# Altium PCB 1166V30.PcbDoc (part 5 of 6) (continued)
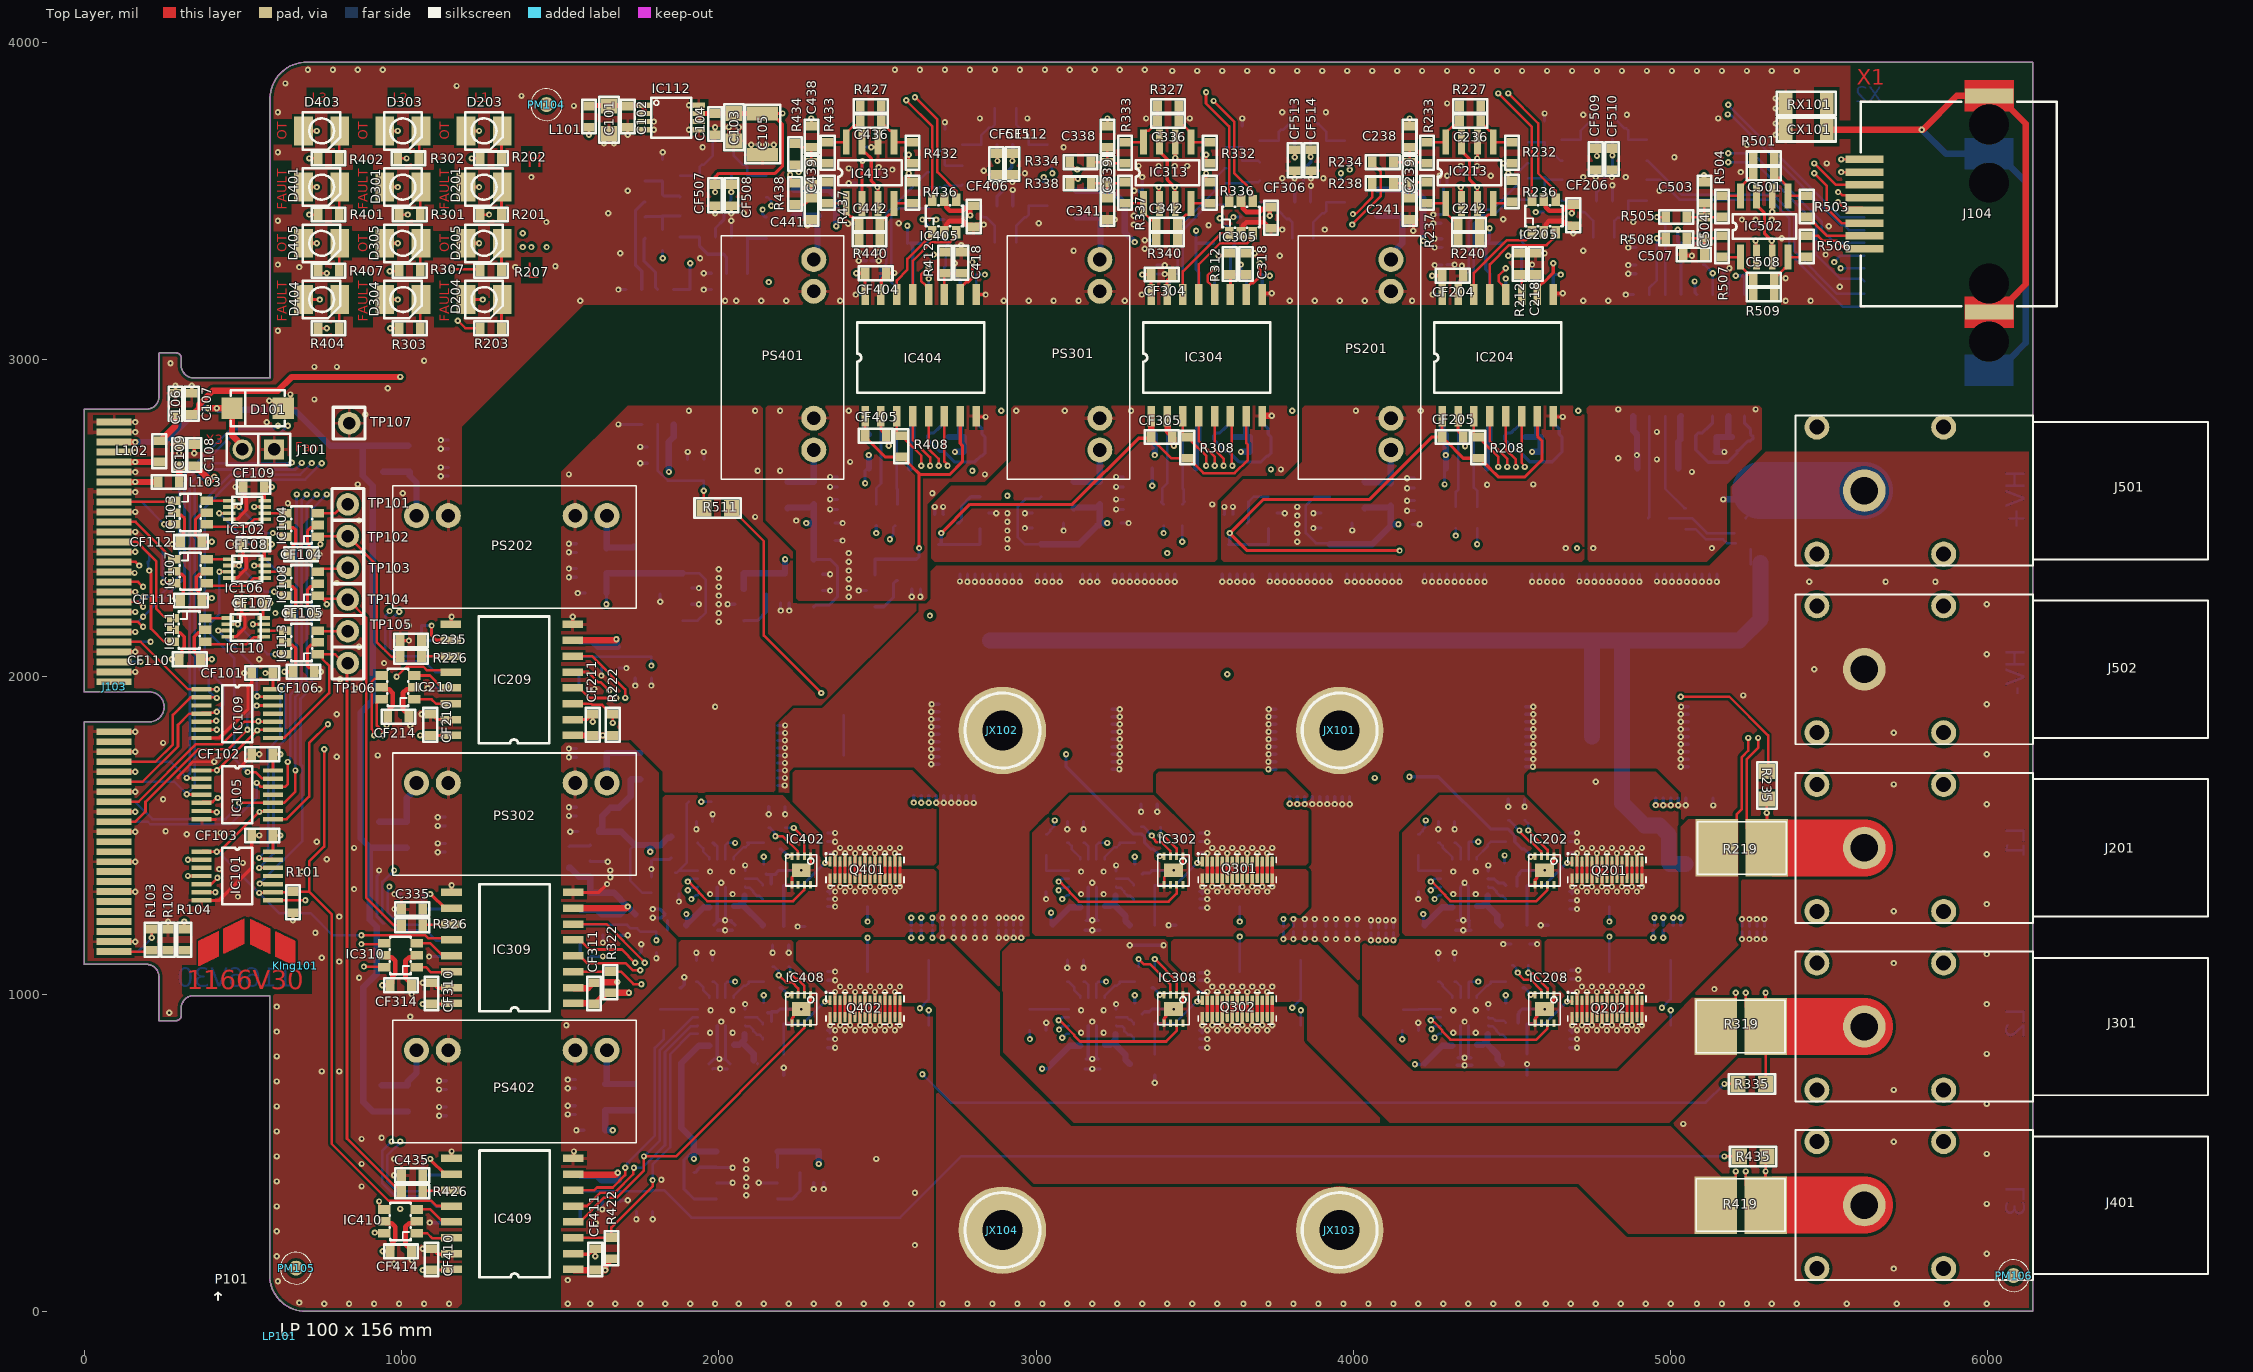
[diagram p0: Top Layer view]
## Nets (pads, with @x,y where several pads share a name; then routed paths per layer and width w, separated by ;. In a path a pad name is that pad's centre, name@x,y a point inside that pad or via, vN(x,y) a via of type N, cw(c..) or ccw(c..) an arc to the next point about the centre after c; other vN are vias at no path point) (continued)
  Bottom Layer w8: v1(1901.57,1326.77) 1904.74,1326.77 1913.66,1335.69 1931.17,1335.69 IC406.2@1933.07,1337.6
NetIC404_6: IC404.6 R411.2 | length 1571.7
  Top Layer w8: IC404.6@2711.02,2820.87 2711.02,2678.47 2720.98,2668.52 v1(2720.98,2665.35)
  Layer 3 w8: v1(1944.88,1606.3) 1944.88,1654.54 2609.21,2318.87 2609.21,2550.39 2715.13,2656.31 ; 2715.13,2656.35 2720.98,2662.19 v1(2720.98,2665.35)
  Bottom Layer w8: v1(1944.88,1606.3) R411.2@1972.44,1606.3 R411.2@1976.38,1606.3
NetIC404_13: IC404.13 IC405.3 | length 288.1
  Top Layer w8: IC404.13@2611.02,3204.72 2611.02,3310.94 2670.16,3370.07 2729,3370.07 2738.53,3379.6 2738.53,3392.07 IC405.3@2748.03,3401.57
NetIC404_14: IC404.14 IC405.1 | length 243.2
  Top Layer w8: IC404.14@2561.02,3204.72 2561.02,3249.53 2594.49,3282.99 2594.49,3317.03 2673.03,3395.57 IC405.1@2673.03,3401.57
NetIC406_5: IC406.5 R414.1 | length 66.3
  Bottom Layer w8: R414.1@1933.07,1476.38 1950.6,1458.85 1950.6,1449.99 1969.49,1431.1 IC406.5@1969.49,1425.2
NetIC406_6: IC406.6 R415.1 | length 69.3
  Bottom Layer w8: R415.1@1987.2,1469.49 R415.1@1980.31,1476.38 1984.25,1476.38 1995.08,1465.55 IC406.6@1995.08,1425.2
NetIC406_10: IC406.10 R410.1 | length 66
  Bottom Layer w8: IC406.10@2082.68,1363.19 2121.06,1363.19 2137.8,1346.46 R410.1@2137.8,1342.52
NetIC406_11: IC406.11 R441.1 | length 76.8
  Bottom Layer w8: IC406.11@2082.68,1337.6 2084.58,1335.69 2096.51,1335.69 2108.49,1323.71 2108.49,1320.53 2120.03,1308.99 2128.02,1308.99 2137.8,1299.21 R441.1@2137.8,1295.28
NetIC408_2: IC408.2 R421.1 | length 113.6
  Top Layer w8: v1(2224.41,1062.99) 2227.35,1062.99 2241.69,1048.66 2246.62,1048.66 2269.69,1025.59 IC408.2@2269.69,998.03
  Bottom Layer w8: R421.1@2220.47,1086.61 2224.41,1082.68 v1(2224.41,1062.99)
NetIC408_3: IC408.3 R420.1 | length 135.9
  Top Layer w8: v1(2188.98,1059.06) 2210.76,1037.27 2230.45,1037.27 2250,1017.72 IC408.3@2250,998.03
  Bottom Layer w8: R420.1@2169.29,1086.61 2173.23,1086.61 2188.98,1070.87 v1(2188.98,1059.06)
NetIC408_7: IC408.7 IC409.4 IC411.3 | length 1539.4
  Top Layer w8: IC409.4@1541.34,281.89 1562.01,281.89 1638.39,358.27 1678.73,358.27 1763.78,443.32 v1(1763.78,488.19) 1864.41,488.19 2268.76,892.54 2268.76,906.56 IC408.7@2269.69,907.48
  Bottom Layer w8: v1(1763.78,488.19) 1814.27,538.68 1814.27,823.34 1917.11,926.18 IC411.3@1933.07,926.18
NetIC409_3: IC409.3 IC411.1 R422.2 | length 888.3
  Top Layer w8: IC409.3@1541.34,231.89 1661.02,231.89 R422.2@1661.42,232.28 1661.42,264.1 1791.21,393.9 v1(1791.21,413.51)
  Bottom Layer w8: v1(1791.21,413.51) 1791.21,462.1 1846.27,517.16 1846.27,810.09 1911.18,875 IC411.1@1933.07,875
NetIC409_5: IC409.5 IC411.2 | length 809.5
  Top Layer w8: IC409.5@1541.34,331.89 1584.85,331.89 1627.23,374.27 1672.1,374.27 1730.17,432.34 1730.17,450.52 v1(1732.41,452.76)
  Bottom Layer w8: v1(1732.41,452.76) 1759.24,452.76 1830.27,523.79 1830.27,816.72 1912.24,898.69 1931.17,898.69 IC411.2@1933.07,900.59
NetIC409_6: IC409.6 R425.2 | length 690
  Top Layer w8: IC409.6@1541.34,381.89 1607.49,381.89 1615.87,390.27 1665.47,390.27 1704.72,429.52 v1(1704.72,452.76)
  Bottom Layer w8: v1(1704.72,452.76) 1704.72,455.92 1710.57,461.76 1710.57,465.87 1798.27,553.57 1798.27,829.97 1826.77,858.47 R425.2@1826.77,885.83
NetIC409_13: IC409.13 IC410.3 | length 129.2
  Top Layer w8: IC410.3@1047.24,320.96 1090.85,320.96 1131.89,279.92 IC409.13@1159.45,279.92
NetIC409_14: IC409.14 IC410.1 | length 118.9
  Top Layer w8: IC410.1@1047.24,245.96 1080.81,245.96 1096.85,229.92 IC409.14@1159.45,229.92
NetIC411_5: IC411.5 R429.1 | length 70.2
  Bottom Layer w8: R429.1@1929.13,1039.37 1933.07,1039.37 1950.6,1021.84 1950.6,1012.98 1969.49,994.09 IC411.5@1969.49,988.19
NetIC411_6: IC411.6 R430.1 | length 59.6
  Bottom Layer w8: R430.1@1980.32,1039.37 1984.25,1039.37 1995.08,1028.54 IC411.6@1995.08,988.19
NetIC411_10: IC411.10 R424.1 | length 66
  Bottom Layer w8: IC411.10@2082.68,926.18 2121.06,926.18 2137.8,909.45 R424.1@2137.8,905.51
NetIC411_11: IC411.11 R442.1 | length 76.8
  Bottom Layer w8: IC411.11@2082.68,900.59 2084.58,898.69 2096.51,898.69 2108.49,886.7 2108.49,883.52 2120.03,871.98 2128.02,871.98 2137.8,862.2 R442.1@2137.8,858.27
NetIC412_6: IC412.6 R438.1 | length 4326.3
  Top Layer w8: v1(2224.41,3582.55) 2224.41,3570.87 2226.44,3568.83 2226.44,3564.9 2236.22,3555.12 R438.1@2240.16,3555.12
  Layer 2 w8: v1(968.38,535.43) 968.38,538.6 960.88,546.09 960.88,945.13 992.13,976.38 992.13,1197.85 875.54,1314.43 875.54,1870.61 905.51,1900.58 905.51,2683.25 1804.82,3582.55 v1(2224.41,3582.55)
  Bottom Layer w8: v1(968.38,535.43) 968.38,535.31 938.54,505.46 938.54,403.98 979.39,363.13 1076.24,363.13 1110.24,329.13 IC412.6@1137.8,329.13
NetIC412_7: IC412.7 R434.1 | length 4309
  Top Layer w8: R434.1@2240.16,3614.17 2242.19,3614.17 2251.97,3604.39 v1(2251.97,3590.55)
  Layer 2 w8: v1(996.06,535.43) 996.06,538.6 990.22,544.44 990.22,544.61 976.88,557.95 976.88,938.51 1008.13,969.75 1008.13,1204.47 891.54,1321.06 891.54,1863.98 921.51,1893.95 921.51,2676.62 1805.6,3560.71 2237.87,3560.71 2249.73,3572.57 2249.73,3588.32 v1(2251.97,3590.55)
  Bottom Layer w8: v1(996.06,535.43) 996.06,532.1 954.54,490.57 954.54,410.61 986.01,379.13 IC412.7@1137.8,379.13
NetIC503_6: IC503.6 R520.1 | length 298.9
  Bottom Layer w10: IC503.6@1757.09,3220.47 1757.09,3278.35 1737,3298.43 1737,3469.28 1763.78,3496.06 R520.1@1767.72,3496.06
NetIC503_7: IC503.7 R514.1 | length 181
  Bottom Layer w10: R514.1@1767.72,3381.89 1763.78,3377.95 1763.78,3311.02 1800.28,3274.53 1800.28,3227.28 IC503.7@1807.09,3220.47
NetJ103_99: J103.99 R102.2 R103.1 R104.2 | length 278
  Top Layer w8: J103.99@93.96,1133.68 R102.2@259.67,1133.68 ; R102.2@263.78,1137.8 R102.2@259.67,1133.68 ; R104.2@314.96,1133.68 R102.2@259.67,1133.68
  Top Layer w10: R102.2@263.78,1137.8 R104.2@314.96,1137.8
NetJ103_100: J103.100 R103.2 | length 164.2
  Top Layer w8: v1(212.6,1177.17) R103.2@212.6,1204.72
  Bottom Layer w8: J103.100@93.96,1133.68 169.12,1133.68 v1(212.6,1177.17)
NetQ201_1: Q201.1 R209.2 R210.2 R241.2 | length 297.1
  Top Layer w10: v1(4673.23,1413.39) Q201.1@4688.98,1413.39
  Bottom Layer w10: R209.2@4547.24,1216.54 R241.2@4547.24,1295.28 R210.2@4547.24,1342.52 4602.36,1342.52 v1(4673.23,1413.39)
NetQ202_1: Q202.1 R223.2 R224.2 R242.2 | length 265.6
  Top Layer w10: v1(4673.23,976.38) Q202.1@4688.98,976.38
  Bottom Layer w10: R223.2@4547.24,811.02 R242.2@4547.24,858.27 R224.2@4547.24,905.51 4602.36,905.51 v1(4673.23,976.38)
NetQ301_1: Q301.1 R309.2 R310.2 R341.2 | length 304.9
  Top Layer w10: v1(3507.87,1413.39) Q301.1@3523.62,1413.39
  Bottom Layer w8: R309.2@3374.02,1216.54 R341.2@3374.02,1295.28 R310.2@3374.02,1342.52 3437.01,1342.52 v1(3507.87,1413.39)
NetQ302_1: Q302.1 R323.2 R324.2 R342.2 | length 273.4
  Top Layer w10: v1(3507.87,976.38) Q302.1@3523.62,976.38
  Bottom Layer w8: R323.2@3374.02,811.02 R324.2@3374.02,905.51 3435.39,905.51 3506.26,976.38 v1(3507.87,976.38)
NetQ401_1: Q401.1 R409.2 R410.2 R441.2 | length 307.7
  Top Layer w10: v1(2334.65,1413.39) Q401.1@2350.39,1413.39
  Bottom Layer w10: R409.2@2204.72,1212.6 R441.2@2204.72,1295.28 R410.2@2204.72,1342.52 2263.78,1342.52 v1(2334.65,1413.39) ; v1@2332.68,1415.35 v1@2334.65,1417.32
NetQ402_1: Q402.1 R423.2 R424.2 R442.2 | length 271.1
  Top Layer w10: v1(2334.65,976.38) Q402.1@2350.39,976.38
  Bottom Layer w8: R423.2@2204.72,811.02 R442.2@2204.72,858.27 R424.2@2204.72,905.51 2263.78,905.51 v1(2334.65,976.38) v1@2333.03,976.38
P3V3: J103.13 J103.14 L103.1 | length 204.6
  Top Layer w20: J103.13@93.96,2614 94.05,2614.08 L103.1@232.28,2614.08
  Bottom Layer w20: J103.14@93.96,2614 v1@160.18,2614
  other v1: 160.27,2613.91
P5V: J103.9 J103.10 L102.1 | length 208.5
  Top Layer w20: J103.9@93.96,2676.99 94.05,2677.08 L102.1@236.22,2677.08
  Bottom Layer w20: J103.10@93.96,2676.99 v1@160.18,2676.99
  other v1: 160.27,2676.9
P24V: C206.2 C226.2 C306.2 C326.2 C406.2 C426.2 D101.2 J101.2 J103.5 J103.6 L201.1 L203.1 L301.1 L303.1 L401.1 L403.1 | length 8727.2
  Top Layer w10: v1@160.18,2739.98 v1(160.27,2739.89)
  Top Layer w20: J103.5@93.96,2739.98 v1@160.18,2739.98 ; v1(389.76,2846.46) v1(417.32,2846.46) D101.2@465.47,2846.46 465.47,2761.12 498.43,2728.17 J101.2@498.43,2716.54
  Layer 4 w20: v1(389.76,2846.46) v1(417.32,2846.46) 499.68,2846.46 504.26,2841.87 777.28,2841.87 793.67,2858.27 1110.24,2858.27 1641.73,3389.76 2370.08,3389.76 ; v1(2370.08,3420.17) 2370.08,3389.76 ; v1(3311.02,3370.08) 3287.4,3346.46 ; v1(4220.47,3374.02) 4177.17,3374.02 4165.35,3385.83 4043.31,3385.83 4031.5,3374.02 3425.2,3374.02 3370.08,3318.9 3314.96,3318.9 3287.4,3346.46 ; 2370.08,3389.76 3244.09,3389.76 3287.4,3346.46
  Bottom Layer w10: v1@160.18,2739.98 v1(160.27,2739.89)
  Bottom Layer w20: J103.6@93.96,2739.98 v1@160.18,2739.98 ; v1(160.27,2739.89) 255.64,2739.89 362.2,2846.46 v1(389.76,2846.46) v1(417.32,2846.46) 421.91,2841.87 662.06,2841.87 775.59,2728.35 877.95,2728.35 ; C326.2@1015.75,1460.63 L303.1@929.13,1460.63 L303.1@901.57,1460.63 ; C426.2@1019.69,629.92 L403.1@937.01,629.92 909.45,629.92 879.64,659.73 879.64,1021.37 921.26,1062.99 921.26,1212.6 899.76,1234.09 899.76,1458.82 L303.1@901.57,1460.63 ; C226.2@1021.26,2728.35 L203.1@942.52,2728.35 877.95,2728.35 ; L401.1@2236.22,3535.43 C406.2@2311.02,3535.43 ; C406.2@2311.02,3531.5 2314.96,3535.43 2346.46,3535.43 2370.08,3511.81 v1(2370.08,3420.17) ; L301.1@3125.98,3531.5 C306.2@3204.72,3531.5 3240.16,3531.5 3279.53,3492.13 3279.53,3401.57 v1(3311.02,3370.08) ; L201.1@4074.8,3535.43 C206.2@4153.54,3535.43 4157.48,3531.5 4196.85,3531.5 4220.47,3507.87 v1(4220.47,3374.02) ; 877.95,2728.35 877.95,2633.6 909.45,2602.1 909.45,1925.2 871.76,1887.51 871.76,1490.44 L303.1@901.57,1460.63
PWM_EN: IC101.1 IC101.9 IC105.1 IC105.9 IC109.1 IC109.9 IC204.12 IC209.12 IC304.12 IC309.12 IC404.12 IC409.12 J103.45 R101.1 | length 9618
  Top Layer w8: J103.45@93.96,2110.06 177.95,2110.06 327.38,1960.63 IC109.1@370.08,1960.63 370.14,1960.69 v1@413.32,1960.69 ; IC101.1@370.08,1448.82 372.97,1451.71 388.72,1451.71 391.61,1448.82 v1(417.32,1448.82) 419.56,1451.05 427.43,1451.05 550.2,1573.82 v1(552.17,1573.82) ; IC105.1@370.08,1704.72 v1@417.32,1704.72 ; v1@418.25,1704.72 544.19,1830.66 v1(545.12,1830.66) ; v1@545.28,1832.68 IC109.9@594.49,1832.68 ; v1(551.18,1318.77) 552.23,1319.82 593.44,1319.82 IC101.9@594.49,1320.87 R101.1@655.51,1320.87 ; v1@551.18,1574.8 552.17,1575.79 593.5,1575.79 IC105.9@594.49,1576.77 ; R101.1@657.48,1322.83 708.66,1322.83 ; v1(755.91,1771.65) 755.91,1464.57 708.66,1417.32 708.66,1322.83 ; v1(873.54,1185.17) 873.66,1185.05 1074.9,1185.05 1084.4,1175.55 1152.41,1175.55 IC309.12@1157.48,1170.47 ; v1(984.25,2000) 1015.75,2031.5 1068.71,2031.5 1080.27,2019.94 1150.54,2019.94 IC209.12@1155.51,2014.96 ; IC409.12@1157.48,331.89 1110.04,331.89 1093.7,348.24 959.46,348.24 779.53,528.17 779.53,1251.97 708.66,1322.83 ; IC404.12@2661.02,3204.72 2661.02,3225.39 2653.21,3233.2 2652.62,3233.2 2637.8,3248.03 2637.8,3267.72 v1(2661.42,3291.34) ; IC304.12@3562.6,3204.72 3562.6,3225.39 3554.79,3233.2 3553.55,3233.2 3540.76,3246 3540.76,3265.17 v1(3562.99,3287.4) ; IC204.12@4479.92,3204.72 4479.92,3225.39 4472.11,3233.2 4470.87,3233.2 4458.08,3246 4458.08,3265.17 v1(4480.32,3287.4)
  Layer 2 w8: v1(417.32,1960.76) 420.48,1960.76 v1@424.55,1956.69 ; v1(417.99,1705.4) 420.59,1705.4 v1(552.17,1573.82) ; v1@424.59,1956.69 450.79,1930.5 450.79,1927.16 545.12,1832.83 v1(545.12,1830.66) ; v1(2157.48,3244.09) 2157.48,3271.65 2271.65,3385.83 2566.93,3385.83 v1(2661.42,3291.34) 2678.94,3308.87 2686.82,3308.87 2735.63,3357.68 2735.63,3363.23 2762.17,3389.76 3244.09,3389.76 3311.02,3322.83 3444.88,3322.83 3480.31,3287.4 v1(3562.99,3287.4) 3578.74,3303.15 3594.49,3303.15 3677.17,3385.83 4165.35,3385.83 4228.35,3322.83 4444.88,3322.83 v1(4480.32,3287.4)
  Layer 3 w8: v1(755.91,1771.65) v1(984.25,2000)
  Layer 5 w8: v1(984.25,2000) 1044.83,2060.58 1044.83,2226.38 980.32,2290.9 980.32,2633.02 1591.39,3244.09 v1(2157.48,3244.09)
  Bottom Layer w8: v1(417.32,1448.82) 421.26,1448.82 551.18,1318.9 v1(551.18,1318.77) 615.83,1254.13 714.14,1254.13 783.1,1185.17 v1(873.54,1185.17)
PWM_H1: IC101.6 IC104.3 R212.2 TP101.1 | length 5663.7
  Top Layer w8: IC101.6@370.08,1320.87 v1(413.39,1320.87) ; IC104.3@735.86,2515.75 791.19,2515.75 818.75,2543.31 TP101.1@830.71,2543.31 ; v1(4488.19,3326.77) 4515.75,3326.77 R212.2@4523.62,3334.65
  Layer 3 w8: v1(413.39,1320.87) 415.62,1323.1 432.73,1323.1 466.35,1356.72 466.35,1681.46 472.44,1687.55 472.44,2012.29 651.89,2191.74 651.89,2380.24 814.96,2543.31 TP101.1@830.71,2543.31
  Layer 5 w8: TP101.1@830.71,2543.31 912.88,2625.48 912.88,2658.92 1652.29,3398.33 3357.57,3398.33 3374.02,3381.89 4173.23,3381.89 4228.35,3326.77 v1(4488.19,3326.77)
PWM_H1#: IC103.1 J103.17 | length 191.2
  Top Layer w8: J103.17@93.96,2551 279.35,2551 IC103.1@283.46,2555.12
PWM_H2: IC105.6 IC108.3 R312.2 TP103.1 | length 4515.4
  Top Layer w8: IC105.6@370.08,1576.77 371.95,1574.9 415.45,1574.9 v1(417.32,1573.02) ; IC108.3@735.86,2330.71 745.36,2340.21 827.61,2340.21 TP103.1@830.71,2343.31 ; v1(3574.8,3326.77) 3602.36,3326.77 R312.2@3610.24,3334.65
  Layer 2 w8: v1(602.36,2200.79) 602.36,2203.95 608.2,2209.79 608.2,2214.5 737.01,2343.31 TP103.1@830.71,2343.31
  Layer 3 w8: v1(417.32,1573.02) 419.56,1575.26 437.46,1575.26 450.35,1588.14 450.35,1800.48 456.44,1806.58 456.44,2018.92 602.36,2164.84 v1(602.36,2200.79)
  Layer 5 w8: TP103.1@830.71,2343.31 928.88,2441.48 928.88,2652.3 1658.92,3382.33 3267.28,3382.33 3322.83,3326.77 v1(3574.8,3326.77)
PWM_H2#: IC107.1 J103.21 | length 239.6
  Top Layer w8: J103.21@93.96,2488.01 161.59,2488.01 260.78,2388.83 260.78,2386.76 277.46,2370.08 IC107.1@283.46,2370.08
PWM_H3: IC109.6 IC113.3 R412.2 TP105.1 | length 3319
  Top Layer w8: IC109.6@370.08,1832.68 v1@413.39,1832.68 ; IC113.3@735.86,2145.67 738.22,2143.31 TP105.1@830.71,2143.31 ; v1(2677.17,3330.71) 2704.72,3330.71 R412.2@2712.6,3338.58
  Layer 5 w8: v1@413.39,1832.68 466.53,1832.68 521.34,1887.48 574.88,1887.48 TP105.1@830.71,2143.31 944.88,2257.48 944.88,2645.67 1665.54,3366.33 2641.54,3366.33 v1(2677.17,3330.71)
  other v1: 417.32,1832.68
PWM_H3#: IC111.1 J103.25 | length 372.6
  Top Layer w8: J103.25@93.96,2425.02 165.53,2425.02 226.19,2364.36 226.19,2214.76 251.97,2188.98 275.59,2188.98 IC111.1@279.53,2185.04
PWM_L1: IC101.8 IC104.1 R226.2 TP102.1 | length 1833.6
  Top Layer w8: IC101.8@594.49,1295.27 v1(696.85,1295.28) ; v1(744.09,2417.32) 744.09,2432.51 IC104.1@735.86,2440.75 738.42,2443.31 TP102.1@830.71,2443.31 921.26,2352.76 921.26,2110.24 968.5,2062.99 R226.2@996.06,2062.99
  Layer 3 w8: v1(696.85,1295.28) 708.66,1307.09 708.66,2385.22 731.11,2407.67 731.28,2407.67 740.93,2417.32 v1(744.09,2417.32)
PWM_L1#: IC103.3 J103.18 | length 218.9
  Top Layer w8: v1(251.97,2480.31) 252.17,2480.12 IC103.3@283.46,2480.12
  Bottom Layer w8: J103.18@93.96,2551 181.28,2551 v1(251.97,2480.31)
PWM_L2: IC105.8 IC108.1 R326.2 TP104.1 | length 2001
  Top Layer w8: IC105.8@594.49,1551.18 637.69,1551.18 708.66,1622.15 708.66,1791.34 v1(767.72,1850.39) ; IC108.1@735.86,2255.71 741.86,2255.71 IC108.1@751.36,2246.21 ; v1@761.54,2236.02 IC108.1@751.36,2246.21 ; R326.2@1000,1216.54 976.38,1216.54 887.98,1304.93 887.98,2186.03 TP104.1@830.71,2243.31 827.81,2246.21 IC108.1@751.36,2246.21
  Layer 2 w8: v1(763.78,2228.35) 766.02,2226.11 766.02,2214.3 767.72,2212.6 v1(767.72,1850.39)
PWM_L2#: IC107.3 J103.22 | length 330.3
  Top Layer w8: v1(248.03,2297.61) 280.93,2297.61 IC107.3@283.46,2295.08
  Bottom Layer w8: J103.22@93.96,2488.01 161.59,2488.01 248.03,2401.57 v1(248.03,2297.61)
PWM_L3: IC109.8 IC113.1 R426.2 TP106.1 | length 2219.8
  Top Layer w8: IC109.8@594.49,1807.09 629.92,1807.09 771.65,1948.82 771.65,2034.87 751.36,2055.17 751.36,2061.17 IC113.1@741.86,2070.67 ; IC113.1@735.86,2070.67 IC113.1@741.86,2070.67 ; R426.2@1000,377.95 1000,381.89 990.22,391.67 980.38,391.67 827.93,544.12 827.93,2040.53 TP106.1@830.71,2043.31 818.35,2043.31 790.99,2070.67 IC113.1@741.86,2070.67
PWM_L3#: IC111.3 J103.26 | length 453.1
  Top Layer w8: v1(204.35,2334.87) 204.35,2331.71 210.19,2325.87 210.19,2152.02 251.97,2110.24 279.33,2110.24 IC111.3@279.53,2110.04
  Bottom Layer w8: J103.26@93.96,2425.02 165.53,2425.02 204.72,2385.83 204.72,2365.75 200.79,2361.82 200.79,2356.25 202.11,2354.93 202.11,2337.11 v1(204.35,2334.87)
Ref_2V5: C103.2 C104.2 C105.2 CF212.1 CF312.1 CF412.1 CF501.1 CF507.1 CF509.1 CF511.1 CF513.1 IC112.6 IC112.7 IC213.2 IC313.2 IC413.2 IC502.2 IC504.2 IC505.2 IC506.2 IC507.2 | length 5282.8
  Top Layer w10: v1(1988.19,3527.84) CF507.1@1988.19,3551.18 1988.19,3574.8 2000,3586.61 2177.17,3586.61 2200.79,3610.24 2200.79,3740.16 C105.2@2165.35,3775.59 ; C105.2@2137.8,3775.59 C105.2@2165.35,3775.59 ; v1(2200.79,3775.59) C105.2@2165.35,3775.59 ; IC413.2@2451.57,3492.13 2451.57,3624.8 v1(2452.76,3625.98) ; CF511.1@2874.02,3649.61 2877.95,3645.67 v1(2877.95,3625.98) ; v1(3385.83,3543.31) 3387.2,3541.93 3387.2,3493.5 IC313.2@3388.58,3492.13 ; v1(3814.96,3637.8) CF513.1@3814.96,3661.42 ; v1(4338.58,3543.31) 4339.76,3542.13 4339.76,3493.31 IC213.2@4340.94,3492.13 ; CF509.1@4763.78,3665.35 4767.72,3661.42 v1(4767.72,3641.73) ; v1(5267.72,3374.02) 5268.9,3372.83 5268.9,3324.02 IC502.2@5270.08,3322.83
  Top Layer w15: IC112.6@1937.01,3750 IC112.7@1937.01,3775.59 C104.2@1988.19,3775.59 C103.2@2047.24,3775.59 C105.2@2137.8,3775.59
  Layer 4 w10: v1(2200.79,3775.59) 2271.65,3704.72 2452.76,3704.72 ; v1(2452.76,3625.98) 2452.76,3704.72 ; v1(2877.95,3625.98) 2877.95,3704.72 ; v1(3385.83,3543.31) 3384.61,3544.53 3384.61,3568.15 3354.33,3598.43 3354.33,3704.72 ; v1(3814.96,3637.8) 3814.96,3704.72 ; v1(4338.58,3543.31) 4338.58,3574.8 4303.15,3610.24 4303.15,3704.72 ; v1(4767.72,3641.73) 4767.72,3700.79 4763.78,3704.72 ; v1(5267.72,3374.02) 5232.28,3374.02 4901.57,3704.72 4763.78,3704.72 ; 2452.76,3704.72 2877.95,3704.72 ; 2877.95,3704.72 3354.33,3704.72 ; 3354.33,3704.72 3814.96,3704.72 ; 3814.96,3704.72 4303.15,3704.72 ; 4303.15,3704.72 4763.78,3704.72
  Bottom Layer w10: v1(1988.19,3527.84) 1988.78,3528.43 1988.78,3578.15 IC504.2@1989.37,3578.74 ; CF412.1@2452.76,3602.36 v1(2452.76,3625.98) ; IC506.2@2876.38,3677.17 2877.95,3675.59 2877.17,3674.8 2877.17,3626.77 v1(2877.95,3625.98) ; CF312.1@3385.83,3519.69 v1(3385.83,3543.31) ; v1(3814.96,3637.8) IC507.2@3814.96,3688.98 ; CF212.1@4338.58,3519.69 v1(4338.58,3543.31) ; IC505.2@4766.54,3692.91 4767.13,3692.32 4767.13,3642.32 v1(4767.72,3641.73) ; CF501.1@5267.72,3350.39 v1(5267.72,3374.02)
SW_L1: C225.1 D206.2 IC206.7 Q202.3 Q202.4 Q202.7 Q202.8 Q202.11 Q202.12 Q202.15 Q202.16 Q202.19 Q202.20 Q202.23 Q202.24 Q202.27 Q202.28 R216.1 R217.1 R219.2 | length 3083.1
  Top Layer w8: R219.2@5145.67,1460.63 5208.6,1523.56 5208.6,1566.87 5224.41,1582.68 5224.41,1747.04 5244.09,1766.72 v1(5244.09,1807.09)
  Top Layer w10: Q202.4@4704.72,927.95 Q202.3@4704.72,980.31 v1(4704.72,1006.69) ; Q202.8@4736.22,927.95 Q202.7@4736.22,980.31 v1(4736.22,1006.69) ; Q202.12@4767.72,927.95 Q202.11@4767.72,980.31 v1(4767.72,1006.69) ; Q202.16@4799.21,927.95 Q202.15@4799.21,980.31 v1(4799.21,1006.69) ; Q202.20@4830.71,927.95 Q202.19@4830.71,980.31 v1(4830.71,1006.69) ; Q202.24@4862.2,927.95 Q202.23@4862.2,980.31 v1(4862.2,1006.69) ; Q202.28@4893.7,927.95 Q202.27@4893.7,980.31 v1(4893.7,1006.69)
  Layer 3 w8: v1@4397.64,1480.31 4665.61,1212.35 4775.84,1212.35 v1(4807.09,1181.1)
  Layer 5 w8: v1(4389.76,2417.32) 4440.94,2366.14 4440.94,2291.34 4496.31,2235.97 5032.74,2235.97 5259.59,2009.12 5259.59,1822.58 v1(5244.09,1807.09) ; v1(4393.7,1480.31) v1@4397.64,1480.31
  Bottom Layer w8: IC206.7@4363.19,1425.2 4363.19,1477.36 C225.1@4366.14,1480.31 v1(4393.7,1480.31) ; v1(4389.76,2417.32) R217.1@4389.76,2468.5 ; R216.1@4807.09,1070.87 v1(4807.09,1181.1)
  Bottom Layer w10: D206.2@4681.1,1006.69 v1(4704.72,1006.69) ; D206.2@4685.04,1047.24 v1(4708.66,1047.24) ; D206.2@4685.04,1074.8 v1(4708.66,1074.8)
  other v1: 4720.47,1023.62 4751.97,1023.62 4783.46,1023.62 4814.96,1023.62 4846.46,1023.62 4877.95,1023.62 4909.45,1023.62
SW_L2: C325.1 D306.2 IC306.7 Q302.3 Q302.4 Q302.7 Q302.8 Q302.11 Q302.12 Q302.15 Q302.16 Q302.19 Q302.20 Q302.23 Q302.24 Q302.27 Q302.28 R316.1 R317.1 R319.2 | length 4508.6
  Top Layer w8: R319.2@5141.73,897.64 5204.66,960.57 v1@5204.66,1003.87
  Top Layer w10: Q302.4@3539.37,927.95 Q302.3@3539.37,980.31 v1(3539.37,1006.69) ; Q302.8@3570.87,927.95 Q302.7@3570.87,980.31 v1(3570.87,1006.69) ; Q302.12@3602.36,927.95 Q302.11@3602.36,980.31 v1(3602.36,1006.69) ; Q302.16@3633.86,927.95 Q302.15@3633.86,980.31 v1(3633.86,1006.69) ; Q302.20@3665.35,927.95 Q302.19@3665.35,980.31 v1(3665.35,1006.69) ; Q302.24@3696.85,927.95 Q302.23@3696.85,980.31 v1(3696.85,1006.69) ; Q302.28@3728.35,927.95 Q302.27@3728.35,980.31 v1(3728.35,1006.69)
  Layer 3 w8: v1(3224.41,1476.38) 3488.44,1212.35 3610.49,1212.35 v1(3641.73,1181.1)
  Layer 4 w8: v1@3460.63,2422.03 v1(3460.63,2425.2)
  Layer 5 w8: v1@3460.63,2422.03 3468.25,2414.41 3468.25,2267.97 3575.06,2161.17 4988.44,2161.17 5157.7,1991.91 5157.7,1050.96 v1(5204.72,1003.94)
  Bottom Layer w8: IC306.7@3189.96,1425.2 3189.96,1469.49 C325.1@3196.85,1476.38 v1(3224.41,1476.38) ; v1(3460.63,2425.2) R317.1@3460.63,2476.38 ; R316.1@3641.73,1070.87 v1(3641.73,1181.1)
  Bottom Layer w10: D306.2@3515.75,1006.69 v1(3539.37,1006.69) ; D306.2@3515.75,1043.31 v1(3539.37,1043.31) ; D306.2@3515.75,1066.93 v1(3539.37,1066.93)
  other v1: 3555.12,1023.62 3586.61,1023.62 3618.11,1023.62 3649.61,1023.62 3681.1,1023.62 3712.6,1023.62 3744.09,1023.62
SW_L3: C425.1 D406.2 IC406.7 Q402.3 Q402.4 Q402.7 Q402.8 Q402.11 Q402.12 Q402.15 Q402.16 Q402.19 Q402.20 Q402.23 Q402.24 Q402.27 Q402.28 R416.1 R417.1 R419.2 | length 5861.7
  Top Layer w8: R419.2@5141.73,334.65 5204.66,397.57 v1@5204.66,440.88
  Top Layer w10: Q402.4@2366.14,927.95 Q402.3@2366.14,980.31 v1(2366.14,1006.69) ; Q402.8@2397.64,927.95 Q402.7@2397.64,980.31 v1(2397.64,1006.69) ; Q402.12@2429.13,927.95 Q402.11@2429.13,980.31 v1(2429.13,1006.69) ; Q402.16@2460.63,927.95 Q402.15@2460.63,980.31 v1(2460.63,1006.69) ; Q402.20@2492.13,927.95 Q402.19@2492.13,980.31 v1(2492.13,1006.69) ; Q402.24@2523.62,927.95 Q402.23@2523.62,980.31 v1(2523.62,1006.69) ; Q402.28@2555.12,927.95 Q402.27@2555.12,980.31 v1(2555.12,1006.69)
  Layer 3 w8: v1(2051.18,1476.38) 2315.21,1212.35 2433.32,1212.35 v1(2468.5,1177.17)
  Layer 5 w8: v1(2539.37,2433.07) 2539.37,2385.83 2842.52,2082.68 4952.76,2082.68 5074.55,1960.88 5074.55,946.13 5204.72,815.96 v1(5204.72,440.94)
  Bottom Layer w8: IC406.7@2020.67,1425.2 2020.67,1469.49 C425.1@2027.56,1476.38 v1(2051.18,1476.38) ; R416.1@2468.5,1070.87 v1(2468.5,1177.17) ; v1(2539.37,2433.07) 2539.37,2436.23 2549.28,2446.14 2549.28,2470.54 R417.1@2555.12,2476.38
  Bottom Layer w10: D406.2@2342.52,1006.69 v1(2366.14,1006.69) ; D406.2@2342.52,1043.31 v1(2366.14,1043.31) ; D406.2@2342.52,1070.87 v1(2366.14,1070.87)
  other v1: 2381.89,1023.62 2413.39,1023.62 2444.88,1023.62 2476.38,1023.62 2507.87,1023.62 2539.37,1023.62 2570.87,1023.62
U_HV_N: J102.8 R518.2 | length 3770.8
  Layer 2 w8: v1(2165.35,3484.25) 2209.66,3484.25 2438.25,3712.85 3591.8,3712.85 3611.23,3732.28 4216.54,3732.28 4267.97,3783.72 4555.37,3783.72 4586.61,3814.96 5166.17,3814.96 5177.96,3803.17 v1(5181.12,3803.17)
  Bottom Layer w8: R518.2@2149.61,3511.81 2153.54,3511.81 2163.32,3502.03 2163.32,3498.09 2165.35,3496.06 v1(2165.35,3484.25) ; v1(5181.12,3803.17) 5181.12,3802.13 5535.62,3447.64 J102.8@5610.04,3447.64
U_HV_P: J102.7 R512.2 | length 3810
  Layer 2 w8: v1(2137.8,3472.44) 2140.96,3472.44 2152.77,3460.63 2208.66,3460.63 2444.88,3696.85 3598.43,3696.85 3617.86,3716.28 4224.16,3716.28 4275.59,3767.72 4562,3767.72 4593.24,3798.96 5153.87,3798.96 5180.1,3772.73 v1(5180.1,3772.26)
  Bottom Layer w8: v1(5180.1,3772.26) 5182.11,3770.26 5190.37,3770.26 5537,3423.63 5545.86,3423.63 5562.01,3407.48 J102.7@5610.04,3407.48
  Bottom Layer w10: v1(2137.8,3472.44) 2137.8,3457.6 2146.57,3448.82 R512.2@2149.61,3448.82
U_L1_N: J104.2 R236.2 | length 1219.4
  Top Layer w8: v1(4487.81,3586.49) 4487.81,3559.43 R236.2@4488.19,3559.06 ; v1(5537.6,3590.55) J104.2@5611.02,3590.55
  Layer 2 w8: v1(4487.81,3586.49) 4487.81,3589.65 4500.27,3602.11 4988.44,3602.11 5066.93,3523.62 5470.67,3523.62 v1(5537.6,3590.55)
U_L1_P: J104.1 R232.2 | length 1246.7
  Top Layer w8: v1(4472.44,3618.11) R232.2@4500,3618.11 ; v1(5537.6,3630.71) J104.1@5611.02,3630.71
  Layer 2 w8: v1(4472.44,3618.11) 4995.07,3618.11 5073.56,3539.62 5464.04,3539.62 5515.76,3591.34 5515.76,3608.87 v1(5537.6,3630.71)
U_L2_N: J104.6 R336.2 | length 2318.3
  Top Layer w8: v1(3535.45,3586.49) 3535.45,3559.43 R336.2@3535.83,3559.06 ; v1(5452.76,3586.61) 5492.13,3547.24 5492.13,3476.38 5538.58,3429.92 J104.6@5611.02,3429.92
  Layer 2 w8: v1(3535.45,3586.49) 3558.93,3586.49 3637.8,3665.35 4244.09,3665.35 4296.53,3717.79 5239.9,3717.79 5371.07,3586.61 v1(5452.76,3586.61)
U_L2_P: J104.3 R332.2 | length 2215.6
  Top Layer w8: R332.2@3535.83,3618.11 v1(3535.83,3645.67) ; v1(5452.76,3618.11) 5520.47,3550.39 J104.3@5611.02,3550.39
  Layer 2 w8: v1(3535.83,3645.67) 3594.49,3645.67 3630.17,3681.35 4236.47,3681.35 4289.37,3734.25 5246.06,3734.25 5362.2,3618.11 v1(5452.76,3618.11)
U_L3_N: J104.5 R436.2 | length 3198.5
  Top Layer w8: v1(2598.44,3586.49) 2598.44,3559.43 R436.2@2598.82,3559.06 ; v1(5527.56,3496.06) 5545.54,3478.09 5603.02,3478.09 J104.5@5611.02,3470.08
  Layer 2 w8: v1(2598.44,3586.49) v1@2598.69,3586.49
  Layer 5 w8: v1(2598.44,3586.49) 2641.62,3629.67 2732.28,3629.67 2821.65,3719.04 5014.24,3719.04 5221.47,3511.81 5511.81,3511.81 v1(5527.56,3496.06)
U_L3_P: J104.4 R432.2 | length 3169.9
  Top Layer w8: R432.2@2598.82,3618.11 v1(2598.82,3645.67) ; v1(5527.56,3527.56) 5530.72,3527.56 5540.04,3518.24 5603.02,3518.24 J104.4@5611.02,3510.24
  Layer 5 w8: v1(2598.82,3645.67) 2724.41,3645.67 2813.78,3735.04 5020.87,3735.04 5228.09,3527.81 5527.31,3527.81 v1(5527.56,3527.56)
pads on no net: IC101.3 IC101.11 IC105.3 IC105.11 IC109.3 IC109.11 IC202.6 IC202.8 IC203.4 IC208.6 IC208.8 IC302.6 IC302.8 IC303.4 IC308.6 IC308.8 IC402.6 IC402.8 IC403.4 IC408.6 IC408.8 IC501.4 J103.49 J103.77 J103.78 J103.79 J103.80 J103.83 J103.84 J103.85 J103.86 J103.89 J103.90 J103.91 J103.92 J103.93 J103.94 J103.95 J103.96 J201.0 J301.0 J401.0 J501.0 J502.0 PM101.0 PM102.0 PM103.0 PM104.0 PM105.0 PM106.0 Q201. Q202. Q301. Q302. Q401. Q402.
copper on no net:
  other v1: 2909.45,2570.87

## Polygon pours and split planes (outlines as drawn)
M5 on Layer 1 "M5_L02_P150" (solid, remove dead copper, pour order 150): 1503.94,909.45 1511.81,917.32 1704.72,917.32 1874.02,1086.61 1874.02,1161.42 1881.89,1169.29 2578.74,1169.29 2578.74,1051.18 2677.17,952.76 2677.17,0 1503.94,0
GND on Layer 1 "GND_L02_P039" (solid, remove dead copper, pour order 39): 22 vertices, not listed, extent 0,0 6141.73,3937.01
M3 on Layer 1 "M3_L02_P149" (solid, remove dead copper, pour order 149): 1503.94,1779.53 1515.75,1791.34 1716.54,1791.34 1811.02,1696.85 1811.02,1228.35 1866.14,1173.23 1866.14,1090.55 1700.79,925.2 1511.81,925.2 1503.94,933.07
M1 on Layer 1 "M1_L02_P147" (solid, remove dead copper, pour order 147): 19 vertices, not listed, extent 1503.94,1633.86 2232.28,2854.33
M6 on Layer 1 "M6_L02_P144" (solid, remove dead copper, pour order 144): 2145.67,2846.46 2153.54,2854.33 2901.57,2854.33 2909.45,2846.46 2909.45,2685.04 2838.58,2614.17 2728.35,2614.17 2657.48,2543.31 2657.48,2267.72 2334.65,1944.88 2259.84,1944.88 2244.09,1960.63 2244.09,2397.64 2145.67,2496.06
M2 on Layer 1 "M2_L02_P146" (solid, remove dead copper, pour order 146): 3838.58,2846.46 3846.46,2854.33 4720.47,2854.33 4728.35,2846.46 4728.35,2370.08 4720.47,2362.2 3590.55,2362.2 3582.68,2370.08 3582.68,2551.18 3653.54,2622.05 3783.46,2622.05 3838.58,2677.17
M4 on Layer 1 "M4_L02_P145" (solid, remove dead copper, pour order 145): 17 vertices, not listed, extent 2669.29,2362.2 3826.77,2854.33